# Altium PCB WMM Board.PcbDoc
Units mm, origin at the board's own origin, x right, y up, seen from the top; angles counter-clockwise.
Board outline 98.5 x 115 mm, 2 copper layers (Top Layer, Bottom Layer), stack 1.662 mm thick; 79 components, 65 nets, 410 pads, 39 vias.
Unrouted connection lines stored in the file: 171.
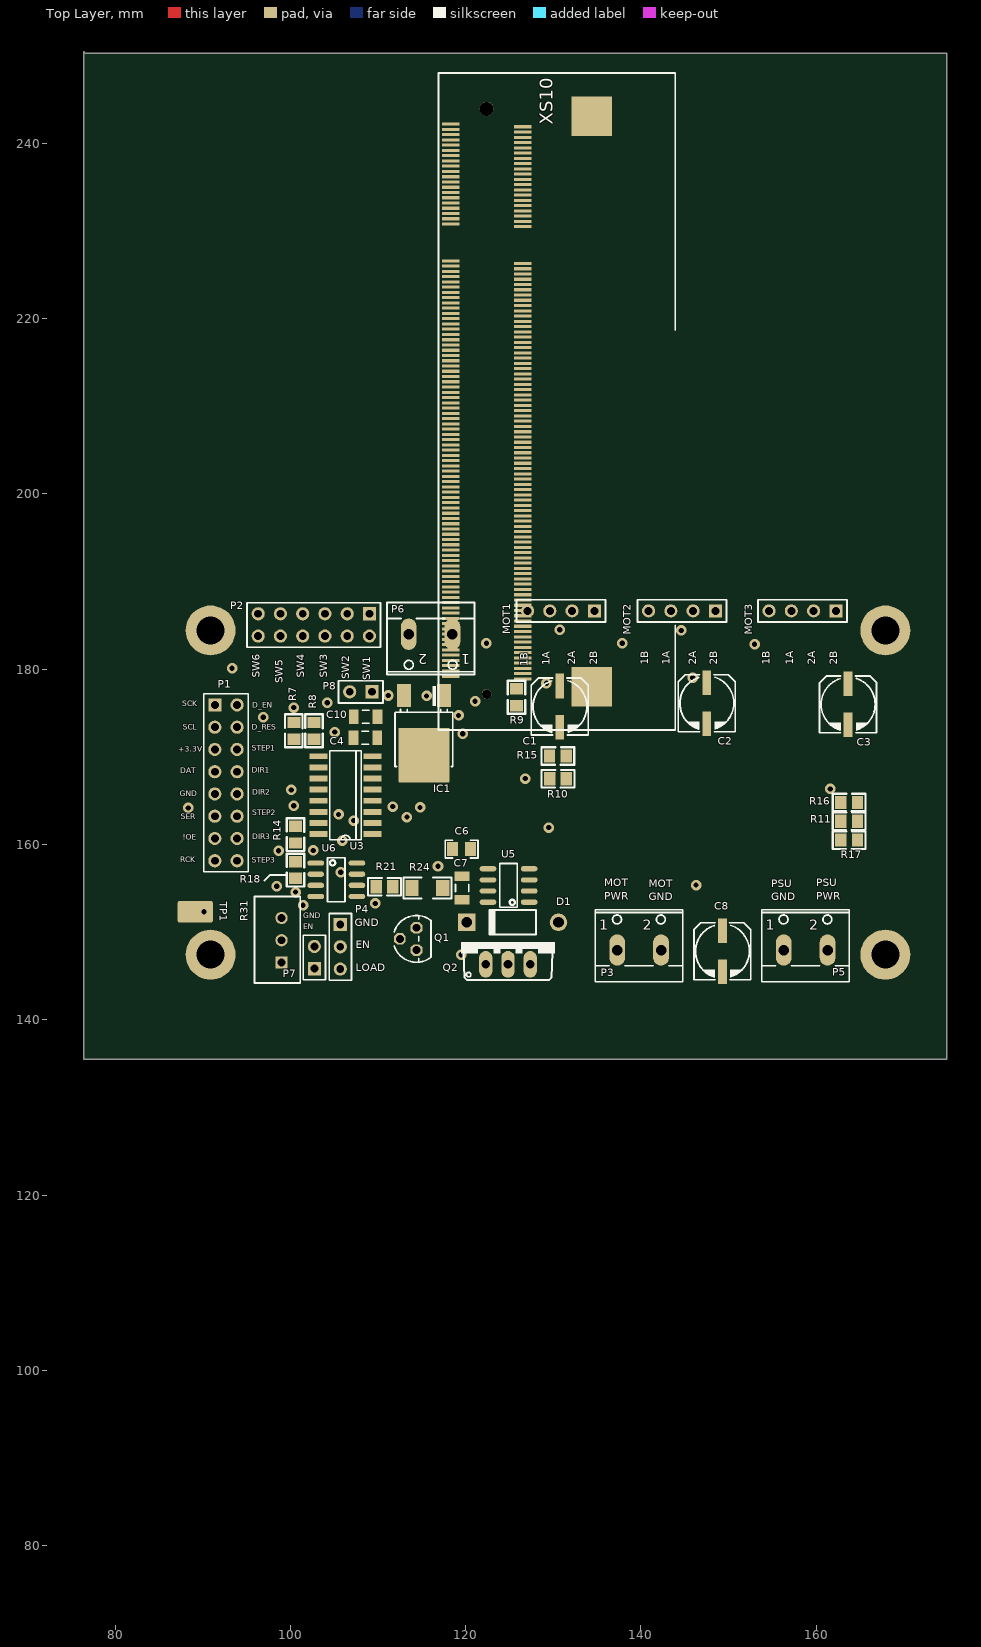
[diagram p0: Top Layer view]
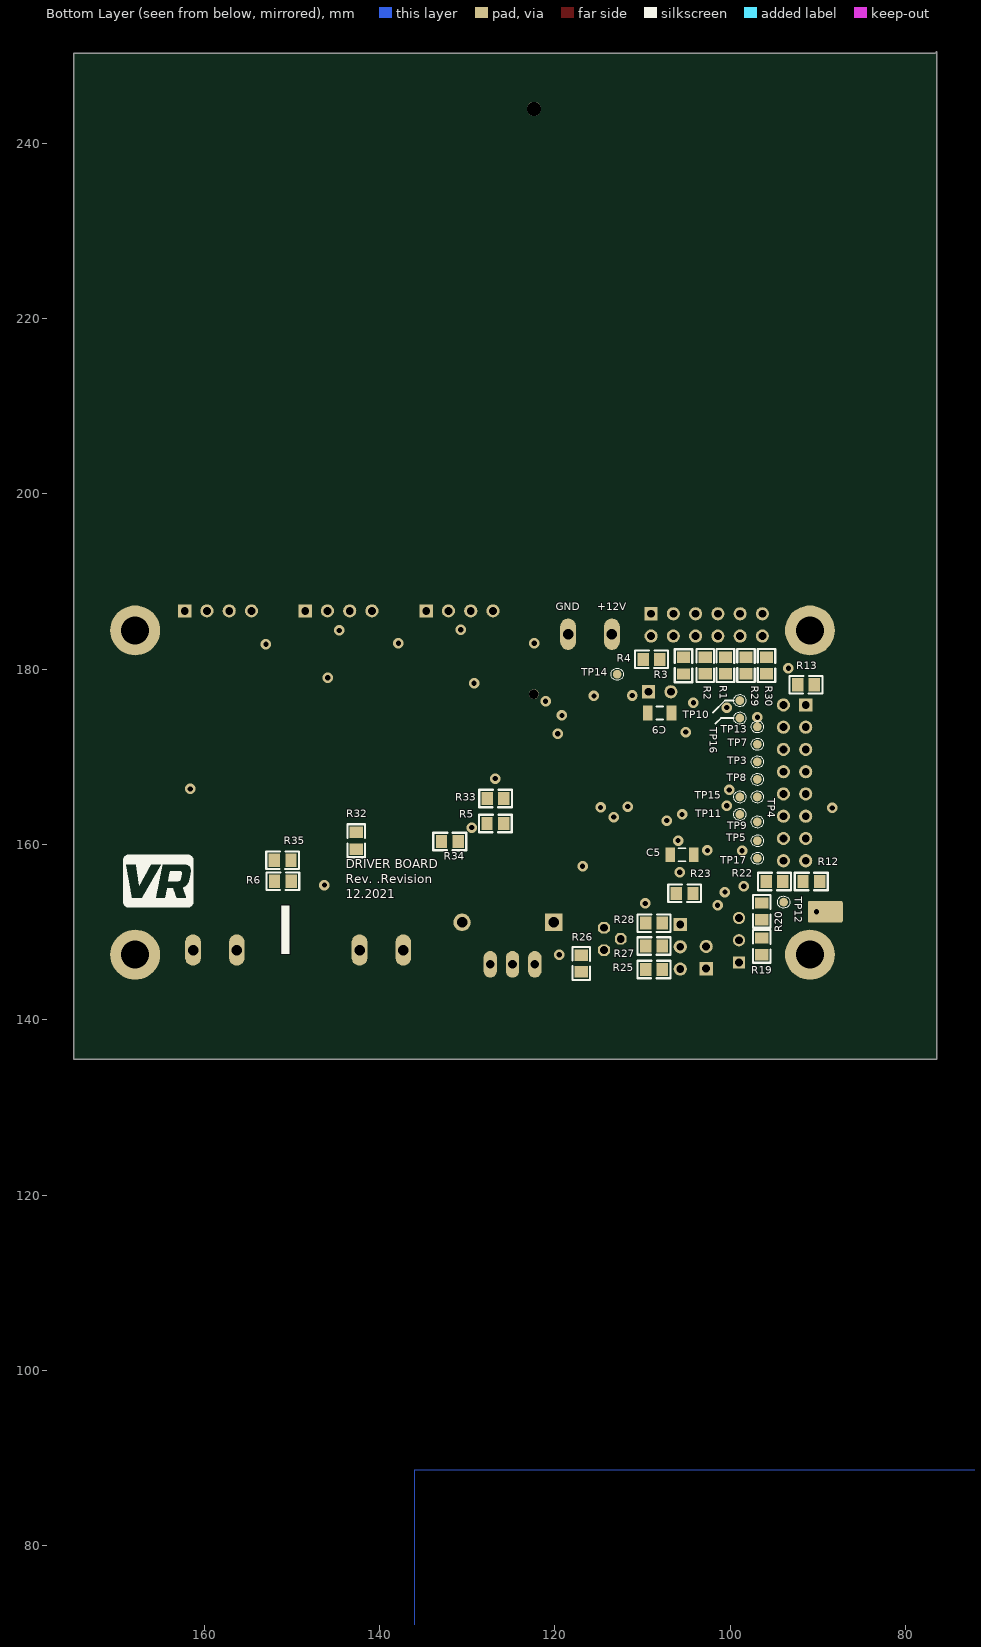
[diagram p1: Bottom Layer view, seen from below]

## Layer stack, top to bottom
Top Solder: solder mask 0.0102, Solder Resist, Dk 3.5
Top Layer: signal copper 0.0356
Dielectric 1: core 1.591, Core-042, Dk 4.6
Bottom Layer: signal copper 0.0356
Bottom Solder: solder mask 0.0102, Solder Resist, Dk 3.5

## Board outline
76.425,135.475 174.925,135.475 174.925,250.275 76.625,250.275 76.425,250.475

## Design rules (kind name [scope] priority, off if disabled: settings)
BoardOutlineClearance [All] p1: gap=0.4 ignorepadtopadclearanceinfootprint=FALSE except(0.35: Text-OutlineEdge Text-CavityEdge Text-CutoutEdge Text-SplitBarrior Text-SplitContinuation)
Clearance Clearance_3level [All] p1: gap=0.3 ignorepadtopadclearanceinfootprint=FALSE // 3? ???? ???????? ?? ????
Clearance "Clearance Bottom Layer" [OnLayer('Bottom Layer')] p2 off: gap=0.203 ignorepadtopadclearanceinfootprint=TRUE except(0.254: Arc-Text Track-Text SMDPad-Text THPad-Text Via-Text Fill-Text Poly-Text Region-Text Text-Text; 0.3: Arc-Poly Track-Poly SMDPad-Poly THPad-Poly Via-Poly Fill-Poly Poly-Poly)
Clearance "Clearance Top Layer" [OnLayer('Top Layer')] p3 off: gap=0.203 ignorepadtopadclearanceinfootprint=TRUE except(0.254: Arc-Text Track-Text SMDPad-Text THPad-Text Via-Text Fill-Text Poly-Text Region-Text Text-Text)
Clearance [All] p4 off: gap=0.2 ignorepadtopadclearanceinfootprint=FALSE except(0.089: Arc-Arc Arc-Track Arc-SMDPad Track-Track Track-SMDPad SMDPad-SMDPad; 0.127: Arc-Via Track-Via SMDPad-Via THPad-Via Via-Via; 0.254: Arc-Text Track-Text SMDPad-Text THPad-Text Via-Text Fill-Text Poly-Text Region-Text Text-Text)
DiffPairsRouting [All] p1 off: maxlimit=0.254 minlimit=0.254 mostfreqgap=0.254 toplayer_minwidth=0.381 toplayer_maxwidth=0.381 toplayer_prefwidth=0.381 bottomlayer_minwidth=0.381 bottomlayer_maxwidth=0.381 bottomlayer_prefwidth=0.381 maxuncoupledlength=12.7
Height [All] p1 off: minheight=0 maxheight=25.4 prefheight=12.7
HoleSize [All] p1: absolutevalues=TRUE maxlimit=6.3 minlimit=0.2 maxpercent=80.000 minpercent=20.000
HoleToHoleClearance [All] p1: gap=0.2 allowstackedmicrovias=TRUE
MinimumAnnularRing [All] p1: minimumring=0.076
MinimumSolderMaskSliver [All] p1: minsoldermaskwidth=0.15
PolygonConnect PolygonConnect_1 [All] p1: thpad.connectstyle=Relief thpad.reliefconductorwidth=0.508 thpad.reliefentries=4 thpad.polygonreliefangle="90 Angle" thpad.airgapwidth=0.254 smdpad.connectstyle=Relief smdpad.reliefconductorwidth=0.508 smdpad.reliefentries=4 smdpad.polygonreliefangle="90 Angle" smdpad.airgapwidth=0.254 via.connectstyle=Direct via.reliefconductorwidth=0.508 via.reliefentries=4 via.polygonreliefangle="90 Angle" via.airgapwidth=0.254
RoutingVias RoutingVias_0.6/1.2 [All] p1: holewidth=0.6 width=1.2 viastyle="Through Hole" minholewidth=0.6 minwidth=1.2 maxholewidth=0.6 maxwidth=1.2
RoutingVias [All] p2 off: holewidth=0.5 width=1 viastyle="Through Hole" minholewidth=0.2 minwidth=0.45 maxholewidth=1 maxwidth=2
SilkToSilkClearance [All] p1: silktosilkclearance=0.25
SilkToSolderMaskClearance [IsPad] p1: minsilkscreentomaskgap=0.1 clearancetoexposedcopper=TRUE
SolderMaskExpansion [All] p1: expansion=0.102 istentingtop=FALSE
Width Width_3level [All] p1: maxlimit=2 minlimit=0.25 preferedwidth=0.3
Width [All] p2 off: maxlimit=2.54 minlimit=0.089 preferedwidth=0.381
23 further rules are at their usual default settings.

## Components (designator, comment, footprint, x,y, rotation, side; value= is the part's Value field where it differs from the comment)
C1 "Cap Pol" UD-6,3X5,8_NICHICON 130.753,175.736 r90 top value=100uF
C2 "Cap Pol" UD-6,3X5,8_NICHICON 147.517,176.117 r90 top value=100uF
C3 "Cap Pol" UD-6,3X5,8_NICHICON 163.646,175.99 r90 top value=100uF
C4 "Cap" C1206 108.55,172.175 r0 top value=0.1uF
C5 "Cap" C1206 105.5,158.825 r180 bottom value=0.1uF
C6 "Cap" C0805 118.518,159.475 r0 top value=1nF
C7 "Cap" C1206 119.6,155.025 r270 top value=0.1uF
C8 "Cap Pol" UD-6,3X5,8_NICHICON 149.3,147.825 r90 top value=100uF
C9 "Cap" C1206 108.05,175 r0 bottom value=0.33uF
C10 "Cap" C1206 108.6,174.575 r0 top value=0.1uF
D1 "1N4006" DO-41 125.37,151.125 r180 top
IC1 "MC33269" DPAK 115.25,173.6 r270 top
MOT1 "PLS-4" HDR1X4 134.69,186.658 r180 top
MOT2 "PLS-4" HDR1X4 148.5,186.658 r180 top
MOT3 "PLS-4" HDR1X4 162.249,186.658 r180 top
P1 "PLD-16" HDR2X8 91.383,175.925 r270 top
P2 "PLD-12" HDR2X6 109.03,186.325 r180 top
P3 "306-021-12" W237-102 139.8,149.225 r0 top
P4 "PLD-3" HDR1X3 105.7,150.865 r270 top
P5 "306-021-12" W237-102 158.8,149.225 r0 top
P6 "306-021-12" W237-102 116,182.725 r180 top
P7 "PLS-2" HDR1X2 102.743,145.828 r90 top
P8 "PLS-2" HDR1X2 109.315,177.425 r180 top
Q1 "2N2222" TO92 114.4,149.225 r90 top
Q2 "IRL540N" TO220BV 124.84,148.865 r0 top
R1 "10k" RES-0805 100.55,180.425 r90 bottom
R2 "10k" RES-0805 102.85,180.425 r90 bottom
R3 "10k" RES-0805 105.325,180.4 r90 bottom
R4 "10k" RES-0805 108.975,181.125 r0 bottom
R5 "1k" RES-0805 126.8,162.4 r180 bottom
R6 "1k" RES-0805 151.05,155.8 r180 bottom
R7 "10k" RES-0805 100.4,172.975 r270 top
R8 "10k" RES-0805 102.7,172.975 r270 top
R9 "10k" RES-0805 125.8,176.8 r90 top
R10 "10k" RES-0805 130.55,167.5 r0 top
R11 "10k" RES-0805 163.773,162.655 r0 top
R12 "10k" RES-0805 90.75,155.775 r180 bottom
R13 "10k" RES-0805 91.35,178.225 r0 bottom
R14 "10k" RES-0805 100.6,161.125 r270 top
R15 "10k" RES-0805 130.525,170.1 r0 top
R16 "10k" RES-0805 163.773,164.787 r0 top
R17 "10k" RES-0805 163.773,160.496 r0 top
R18 "100k" RES-0805 100.6,157.075 r90 top
R19 "470" RES-0805 96.4,148.375 r90 bottom
R20 "30k" RES-0805 96.4,152.375 r270 bottom
R21 "30k" RES-0805 110.75,155.175 r0 top
R22 "100" RES-0805 94.95,155.775 r180 bottom
R23 "100k" RES-0805 105.2,154.425 r180 bottom
R24 "470" RES-1206 115.65,155.025 r180 top
R25 "1k" RES-0805 108.7,145.725 r180 bottom
R26 "100" RES-0805 117,146.425 r90 bottom
R27 "10k" RES-0805 108.7,148.425 r180 bottom
R28 "220" RES-0805 108.7,151.025 r180 bottom
R29 "10k" RES-0805 98.2,180.425 r90 bottom
R30 "10k" RES-0805 95.85,180.425 r90 bottom
R31 "1k" VR5 99,149.075 r90 top
R32 "1k" RES-0805 142.675,160.425 r270 bottom
R33 "1k" RES-0805 126.775,165.25 r180 bottom
R34 "1k" RES-0805 132,160.35 r180 bottom
R35 "1k" RES-0805 151.075,158.2 r180 bottom
TP1 "Adjust" TESTPOINT 90.15,152.325 r180 top
TP3 "=Value" TP_SMD_1MM 96.9,169.425 r90 bottom
TP4 "=Value" TP_SMD_1MM 96.9,165.425 r90 bottom
TP5 "=Value" TP_SMD_1MM 96.9,160.425 r90 bottom
TP7 "=Value" TP_SMD_1MM 96.9,171.425 r90 bottom
TP8 "=Value" TP_SMD_1MM 96.9,167.425 r90 bottom
TP9 "=Value" TP_SMD_1MM 96.9,162.575 r90 bottom
TP10 "=Value" TP_SMD_1MM 98.9,176.425 r90 bottom
TP11 "=Value" TP_SMD_1MM 98.9,163.425 r90 bottom
TP12 "=Value" TP_SMD_1MM 93.9,153.425 r90 bottom
TP13 "=Value" TP_SMD_1MM 96.9,173.425 r90 bottom
TP14 "=Value" TP_SMD_1MM 112.9,179.425 r90 bottom
TP15 "=Value" TP_SMD_1MM 98.9,165.425 r90 bottom
TP16 "=Value" TP_SMD_1MM 98.9,174.425 r90 bottom
TP17 "=Value" TP_SMD_1MM 96.9,158.425 r90 bottom
U3 "SNx4HC595" SO16 106.3,165.625 r90 top
U5 "Current Sensor" SO-8_L 124.9,155.325 r180 top value=ACS712ELCTR-05B
U6 "LM358M" SO-8_L 105.25,155.975 r0 top
XS10 "1717254-4 (TE Connectivity , SODIMM200-DDR2)" SODIMM_200 130.4,210.55 r90 top

## Footprints (in the part's own frame and the unit in brackets; to place one, negate y for a bottom-side part, rotate by r counter-clockwise, add the part's x,y. Pads: shape width x height; smd on the part's side, far side on the other; paste and mask are expansions set on the pad)
C0805 [mil]
  rect 50x63 smd: 1(0,0) 2(80,0)
  silkscreen extent -34,-40 114,40, body extent 0,-25 78,26, height 51
C1206 [mm] "Chip Capacitor, Body 3.2x1.6mm, IPC High Density"
  rect 1.1x1.7 smd: 1(-1.35,0) 2(1.35,0)
  silkscreen extent -0.4,-0.75 0.4,0.75, body extent -1.6,-0.8 1.6,0.82, height 1.64
DO-41 [mm] "Diode, Axial; Body 5.2 x 2.7 mm (LxDia. max), Lead Dia. 0.86 mm (max)"
  round 2 hole 1.2: 1(-5.23,0)
  rect 2x2 hole 1.2: 2(5.23,0)
  silkscreen extent -2.65,-1.4 2.75,1.4, body extent -5.65,-1.32 5.7,1.32, height 2.82
DPAK [mm] "D-PAK, 3-Pads, Body 6.22x6.73mm (max), TO-252AA using nominal STEP model"
  rrect6% 2.6x1.6 smd: 1(-3.4,2.28) 3(-3.4,-2.28)
  rrect2% 6.2x5.8 smd paste-2.9: 4(3.4,0)
  silkscreen extent -4.5,-3.3 4.7,3.28, body extent -3.86,-3.29 5.84,3.29, height 2.48
HDR1X2 [mm] "Connector; Header; 2 Position"
  rect 1.5x1.5 hole 0.9: 1(0,0)
  round 1.5 hole 0.9: 2(2.54,0)
  silkscreen extent -1.27,-1.27 3.81,1.27, body extent -1.26,-1.28 3.82,1.26, height 8.61
HDR1X3 [mm] "Connector; Header; 3 Position"
  rect 1.5x1.5 hole 0.9: 1(0,0)
  round 1.5 hole 0.9: 2(2.54,0) 3(5.08,0)
  silkscreen extent -1.27,-1.27 6.35,1.27, body extent -1.28,-1.27 6.34,1.27, height 8.61
HDR1X4 [mm] "Connector; Header; 4 Position"
  rect 1.5x1.5 hole 0.9: 1(0,0)
  round 1.5 hole 0.9: 2(2.54,0) 3(5.08,0) 4(7.62,0)
  silkscreen extent -1.27,-1.27 8.89,1.27, body extent -1.28,-1.27 8.88,1.27, height 8.61
HDR2X6 [mm] "Connector; Header; 6x2 Position"
  rect 1.5x1.5 hole 0.9: 1(0,0)
  round 1.5 hole 0.9: 2(0,2.54) 3(2.54,0) 4(2.54,2.54) 5(5.08,0) 6(5.08,2.54) 7(7.62,0) 8(7.62,2.54) 9(10.16,0) 10(10.16,2.54) 11(12.7,0) 12(12.7,2.54)
  silkscreen extent -1.27,-1.27 13.96,3.81, body extent -1.27,-1.28 13.97,3.8, height 8.61
HDR2X8 [mm] "Connector; Header; 8x2 Position"
  rect 1.5x1.5 hole 0.9: 1(0,0)
  round 1.5 hole 0.9: 2(0,2.54) 3(2.54,0) 4(2.54,2.54) 5(5.08,0) 6(5.08,2.54) 7(7.62,0) 8(7.62,2.54) 9(10.16,0) 10(10.16,2.54) 11(12.7,0) 12(12.7,2.54) 13(15.24,0) 14(15.24,2.54) 15(17.78,0) 16(17.78,2.54)
  silkscreen extent -1.27,-1.27 19.05,3.81, body extent -1.28,-1.28 19.04,3.8, height 8.61
RES-0805 [mm] "Chip Resistor; Body 2 x 1.3 mm (LxW typ)"
  rect 1.3x1.5 smd: 1(-0.95,0) 2(0.95,0)
  silkscreen extent -1.88,-1 1.88,1, body extent -1.24,-0.65 1.29,0.6, height 0.51
RES-1206 [mm] "Chip Resistor; Body  x mm (LxW typ)"
  rect 1.5x1.8 smd: 1(-1.75,0) 2(1.75,0)
  silkscreen extent -2.75,-1.2 2.75,1.2, body extent -1.9,-0.8 1.9,0.8, height 0.61
SO16 [mil] "SO16"
  rect 26x80 smd: 1(-175,-121) 2(-125,-121) 3(-75,-121) 4(-25,-121) 5(25,-121) 6(75,-121) 7(125,-121) 8(175,-121) 9(175,121) 10(125,121) 11(75,121) 12(25,121) 13(-25,121) 14(-75,121) 15(-125,121) 16(-175,121)
  silkscreen extent -200,-70 200,71, body extent -198,-121 198,121, height 79
SO-8_L [mm] "8-Pin Small Outline Integrated Circuit 1.27 mm Pitch, IPC High Density"
  oval 1.9x0.6 smd: 1(-2.35,1.905) 2(-2.35,0.635) 3(-2.35,-0.635) 4(-2.35,-1.905) 5(2.35,-1.905) 6(2.35,-0.635) 7(2.35,0.635) 8(2.35,1.905)
  silkscreen extent -1,-2.5 1,2.5, body extent -3.09,-2.43 2.94,2.47, height 1.51
SODIMM_200 [mm] "SMD"
  rect 0.35x2 smd paste-20: 1(31.65,12.1) 2(31.35,3.9) 3(31.05,12.1) 4(30.75,3.9) 5(30.45,12.1) 6(30.15,3.9) 7(29.85,12.1) 8(29.55,3.9) 9(29.25,12.1) 10(28.95,3.9) 11(28.65,12.1) 12(28.35,3.9) 13(28.05,12.1) 14(27.75,3.9) 15(27.45,12.1) 16(27.15,3.9) 17(26.85,12.1) 18(26.55,3.9) 19(26.25,12.1) 20(25.95,3.9) 21(25.65,12.1) 22(25.35,3.9) 23(25.05,12.1) 24(24.75,3.9) 25(24.45,12.1) 26(24.15,3.9) 27(23.85,12.1) 28(23.55,3.9) 29(23.25,12.1) 30(22.95,3.9) 31(22.65,12.1) 32(22.35,3.9) 33(22.05,12.1) 34(21.75,3.9) 35(21.45,12.1) 36(21.15,3.9) 37(20.85,12.1) 38(20.55,3.9) 39(20.25,12.1) 40(19.95,3.9) 41(16.05,12.1) 42(15.75,3.9) 43(15.45,12.1) 44(15.15,3.9) 45(14.85,12.1) 46(14.55,3.9) 47(14.25,12.1) 48(13.95,3.9) 49(13.65,12.1) 50(13.35,3.9) 51(13.05,12.1) 52(12.75,3.9) 53(12.45,12.1) 54(12.15,3.9) 55(11.85,12.1) 56(11.55,3.9) 57(11.25,12.1) 58(10.95,3.9) 59(10.65,12.1) 60(10.35,3.9) 61(10.05,12.1) 62(9.75,3.9) 63(9.45,12.1) 64(9.15,3.9) 65(8.85,12.1) 66(8.55,3.9) 67(8.25,12.1) 68(7.95,3.9) 69(7.65,12.1) 70(7.35,3.9) 71(7.05,12.1) 72(6.75,3.9) 73(6.45,12.1) 74(6.15,3.9) 75(5.85,12.1) 76(5.55,3.9) 77(5.25,12.1) 78(4.95,3.9) 79(4.65,12.1) 80(4.35,3.9) 81(4.05,12.1) 82(3.75,3.9) 83(3.45,12.1) 84(3.15,3.9) 85(2.85,12.1) 86(2.55,3.9) 87(2.25,12.1) 88(1.95,3.9) 89(1.65,12.1) 90(1.35,3.9) 91(1.05,12.1) 92(0.75,3.9) 93(0.45,12.1) 94(0.15,3.9) 95(-0.15,12.1) 96(-0.45,3.9) 97(-0.75,12.1) 98(-1.05,3.9) 99(-1.35,12.1) 100(-1.65,3.9) 101(-1.95,12.1) 102(-2.25,3.9) 103(-2.55,12.1) 104(-2.85,3.9) 105(-3.15,12.1) 106(-3.45,3.9) 107(-3.75,12.1) 108(-4.05,3.9) 109(-4.35,12.1) 110(-4.65,3.9) 111(-4.95,12.1) 112(-5.25,3.9) 113(-5.55,12.1) 114(-5.85,3.9) 115(-6.15,12.1) 116(-6.45,3.9) 117(-6.75,12.1) 118(-7.05,3.9) 119(-7.35,12.1) 120(-7.65,3.9) 121(-7.95,12.1) 122(-8.25,3.9) 123(-8.55,12.1) 124(-8.85,3.9) 125(-9.15,12.1) 126(-9.45,3.9) 127(-9.75,12.1) 128(-10.05,3.9) 129(-10.35,12.1) 130(-10.65,3.9) 131(-10.95,12.1) 132(-11.25,3.9) 133(-11.55,12.1) 134(-11.85,3.9) 135(-12.15,12.1) 136(-12.45,3.9) 137(-12.75,12.1) 138(-13.05,3.9) 139(-13.35,12.1) 140(-13.65,3.9) 141(-13.95,12.1) 142(-14.25,3.9) 143(-14.55,12.1) 144(-14.85,3.9) 145(-15.15,12.1) 146(-15.45,3.9) 147(-15.75,12.1) 148(-16.05,3.9) 149(-16.35,12.1) 150(-16.65,3.9) 151(-16.95,12.1) 152(-17.25,3.9) 153(-17.55,12.1) 154(-17.85,3.9) 155(-18.15,12.1) 156(-18.45,3.9) 157(-18.75,12.1) 158(-19.05,3.9) 159(-19.35,12.1) 160(-19.65,3.9) 161(-19.95,12.1) 162(-20.25,3.9) 163(-20.55,12.1) 164(-20.85,3.9) 165(-21.15,12.1) 166(-21.45,3.9) 167(-21.75,12.1) 168(-22.05,3.9) 169(-22.35,12.1) 170(-22.65,3.9) 171(-22.95,12.1) 172(-23.25,3.9) 173(-23.55,12.1) 174(-23.85,3.9) 175(-24.15,12.1) 176(-24.45,3.9) 177(-24.75,12.1) 178(-25.05,3.9) 179(-25.35,12.1) 180(-25.65,3.9) 181(-25.95,12.1) 182(-26.25,3.9) 183(-26.55,12.1) 184(-26.85,3.9) 185(-27.15,12.1) 186(-27.45,3.9) 187(-27.75,12.1) 188(-28.05,3.9) 189(-28.35,12.1) 190(-28.65,3.9) 191(-28.95,12.1) 192(-29.25,3.9) 193(-29.55,12.1) 194(-29.85,3.9) 195(-30.15,12.1) 196(-30.45,3.9) 197(-30.75,12.1) 198(-31.05,3.9) 199(-31.35,12.1) 200(-31.65,3.9)
  rect 4.5x4.6 smd paste-25.4: 203(-32.55,-4) 204(32.55,-4)
  round 1.6 hole 1.6 unplated: MH1(33.4,8)
  round 1.1 hole 1.1 unplated: MH2(-33.4,8)
  silkscreen extent -37.5,-13.52 37.5,13.48, body extent -35.75,-13.05 35.75,13, height 5.2
TESTPOINT [mm]
  rrect20% 4x2.5 hole 0.6 copper offset 1,0: 1(0,0)
TO92 [mil] "TO92"
  oct 52x52 / inner round 0 / far side oct 52x52 hole 35.43: 1(-50,0) 2(0,75) 3(50,0)
  silkscreen extent -105,-65 105,100, body extent -98,-55 99,116, height 323
TO220BV [mil] "TO220BV"
  oval 60x120 / inner round 0 / far side oval 60x120 hole 39.37: 1(-100,-100) 2(0,-100) 3(100,-100)
  silkscreen extent -210,-170 210,0, body extent -200,-155 200,25, height 730
TP_SMD_1MM [mm]
  round 1 smd paste-10 mask+0.05: 1(0,0)
  silkscreen extent -0.7,-0.7 0.7,0.7
UD-6,3X5,8_NICHICON [mm] "UD-6,3X5,8_NICHICON"
  rect 2.8x1 smd: 1(2.35,0) 2(-2.35,0)
  silkscreen extent -3.25,-3.25 3.25,3.25, body extent -3.67,-3.3 3.62,3.3, height 5.41
VR5 [mm] "Thru-Hole; 3 Leads"
  rect 1.4x1.4 hole 0.9: 1(-2.54,0)
  round 1.4 hole 0.9: 2(0,0) 3(2.54,0)
  silkscreen extent -4.87,-2.12 4.97,3.1, body extent -4.75,-2 4.85,3, height 11.61
W237-102 [mil] "W237-102"
  oval 70.5x141 / inner round 0 / far side oval 70.5x141 hole 47.24: 1(-98.43,-50) 2(98.43,-50)
  silkscreen extent -197,-193 196,131, body extent -209,-187 201,120, height 409

## Part data
C1 C2 C3 C8: library part "Cap Pol1", "Polarized Capacitor (Radial) 16V, 105°C, 20% 6.3x5.4mm", Manufacturer=JB, Manufacturer_Part_Number=JCL1C101M063054, CHIPIDIP-code=9000565735
C4 C5 C7 C10: "Capacitor ceramic SMD", Manufacturer=Murata, Manufacturer_Part_Number=GRM319R71H104K, CHIPIDIP-code=348319975, Part_Type=Capacitor
C6: "Capacitor ceramic SMD", Manufacturer=HOLYSTONECAPS, Manufacturer_Part_Number=MLCC1000pFX7R50V10%0805, CHIPIDIP-code=40582, Part_Type=Capacitor
C9: "Capacitor ceramic SMD", Manufacturer=Murata, Manufacturer_Part_Number=GRM319R71H334KA01D, CHIPIDIP-code=344025606, Part_Type=Capacitor
D1: library part "Diode 1N4004", "1 Amp General Purpose Rectifier", Manufacturer="DC COMPONENTS CO., LTD.", CHIPIDIP-code=3519, ComponentLink1Description="Manufacturer Link", ComponentLink1URL=http://www.fairchildsemi.com/, ComponentLink2Description=Datasheet, ComponentLink2URL=http://www.fairchildsemi.com/ds/1N%2F1N4001.pdf, Manufacturer_Part_Number=1N4006, Part_Type="Diode, Axial"
IC1: library part "Volt Reg 5V", "5V Voltage Regulator", Manufacturer="ON Semiconductor", Manufacturer_Part_Number=MC33269DT-5.0, CHIPIDIP-code=563066499, Part_Type="Voltage regulator"
MOT1 MOT2 MOT3: library part "Header 4", "Header, 4-Pin", Manufacturer=Connfly, Manufacturer_Part_Number=DS1021-1*4SF11-B, Value2=(DS1021-1x4), CHIPIDIP-code=174993133, Part_Type=Connector
P1: library part "Header 8X2", "Header, 8-Pin, Dual row", Manufacturer=Connfly, Manufacturer_Part_Number=DS1021-2*8SF11-B, Value2=(DS1021-2x8), CHIPIDIP-code=4114, Part_Type=Connector
P2: library part "Header 6X2", "Header, 6-Pin, Dual row", Manufacturer=Connfly, Manufacturer_Part_Number=DS1021-2*6SF11-B, Value2=DS1021-2x6, CHIPIDIP-code=none, Part_Type=Connector
P3 P5 P6: library part "Header 2", "Screw connector, 2-Pin", Manufacturer="Ningbo Xinya M&E", Manufacturer_Part_Number=XY306A-5.0-2P-12, CHIPIDIP-code=43112, Part_Type=Connector
P4: library part "Header 3", "Header, 3-Pin", Manufacturer=Connfly, Manufacturer_Part_Number=DS1021-1*3SF11-B, Value2=(DS1021-1x3), CHIPIDIP-code=132511368, Part_Type=Connector
P7 P8: library part "Header 2", "Header, 2-Pin", Manufacturer=Connfly, Manufacturer_Part_Number=DS1021-1*2SF11-B, Value2=(DS1021-1x2), CHIPIDIP-code=260750144, Part_Type=Connector
Q1: library part NPN, "NPN Bipolar Transistor", Manufacturer="ON Semiconductor", Manufacturer_Part_Number=KSP2222ABU, CHIPIDIP-code=363567003, Part_Type=Transistor
Q2: library part NMOS-2, "N-Channel Power MOSFET", Manufacturer="Infineon Technologies", Manufacturer_Part_Number=IRL540NPBF, CHIPIDIP-code=387859736, ComponentLink1Description="Manufacturer Link", ComponentLink1URL=http://www.irf.com/, Part_Type=Transistor
R1 R2 R3 R4 R7 R8 R9 R10 R11 R12 R13 R14 R15 R16 R17 R27 R29 R30: library part Res, "Rectangular Thick Film Chip Resistor", Manufacturer=Yageo, Manufacturer_Part_Number=RC0805FR-0710KL, CHIPIDIP-code=9000079514, ComponentLink1Description="Manufacturer Link", ComponentLink1URL=http://www.panasonic.com/industrial/components/resistive_products.htm, ComponentLink2Description=Datasheet, ComponentLink2URL=http://www.panasonic.com/industrial/components/pdf/AOA0000CE8.pdf, Note="If flow soldering, adjust pad width of PCB Footprint to 0.7 - 0.8 times the width of the resistor.", Part_Type=Resistor
R5 R6 R25 R32 R33 R34 R35: library part Res, "Rectangular Thick Film Chip Resistor", Manufacturer=Yageo, Manufacturer_Part_Number=RC0805FR-071KL, CHIPIDIP-code=9000079486, ComponentLink1Description="Manufacturer Link", ComponentLink1URL=http://www.panasonic.com/industrial/components/resistive_products.htm, ComponentLink2Description=Datasheet, ComponentLink2URL=http://www.panasonic.com/industrial/components/pdf/AOA0000CE8.pdf, Note="If flow soldering, adjust pad width of PCB Footprint to 0.7 - 0.8 times the width of the resistor.", Part_Type=Resistor
R18 R23: library part Res, "Rectangular Thick Film Chip Resistor", Manufacturer=Yageo, Manufacturer_Part_Number=RC0805FR-07100KL, CHIPIDIP-code=9000079538, ComponentLink1Description="Manufacturer Link", ComponentLink1URL=http://www.panasonic.com/industrial/components/resistive_products.htm, ComponentLink2Description=Datasheet, ComponentLink2URL=http://www.panasonic.com/industrial/components/pdf/AOA0000CE8.pdf, Note="If flow soldering, adjust pad width of PCB Footprint to 0.7 - 0.8 times the width of the resistor.", Part_Type=Resistor
R19: library part Res, "Rectangular Thick Film Chip Resistor", Manufacturer=Yageo, Manufacturer_Part_Number=RC0805FR-07470RL, CHIPIDIP-code=9000079478, ComponentLink1Description="Manufacturer Link", ComponentLink1URL=http://www.panasonic.com/industrial/components/resistive_products.htm, ComponentLink2Description=Datasheet, ComponentLink2URL=http://www.panasonic.com/industrial/components/pdf/AOA0000CE8.pdf, Note="If flow soldering, adjust pad width of PCB Footprint to 0.7 - 0.8 times the width of the resistor.", Part_Type=Resistor
R20 R21: library part Res, "Rectangular Thick Film Chip Resistor", Manufacturer=Yageo, Manufacturer_Part_Number=RC0805FR-0730KL, CHIPIDIP-code=9000079525, ComponentLink1Description="Manufacturer Link", ComponentLink1URL=http://www.panasonic.com/industrial/components/resistive_products.htm, ComponentLink2Description=Datasheet, ComponentLink2URL=http://www.panasonic.com/industrial/components/pdf/AOA0000CE8.pdf, Note="If flow soldering, adjust pad width of PCB Footprint to 0.7 - 0.8 times the width of the resistor.", Part_Type=Resistor
R22 R26: library part Res, "Rectangular Thick Film Chip Resistor", Manufacturer=Yageo, Manufacturer_Part_Number=RC0805FR-07100RL, CHIPIDIP-code=9000079462, ComponentLink1Description="Manufacturer Link", ComponentLink1URL=http://www.panasonic.com/industrial/components/resistive_products.htm, ComponentLink2Description=Datasheet, ComponentLink2URL=http://www.panasonic.com/industrial/components/pdf/AOA0000CE8.pdf, Note="If flow soldering, adjust pad width of PCB Footprint to 0.7 - 0.8 times the width of the resistor.", Part_Type=Resistor
R24: library part Res, "Rectangular Thick Film Chip Resistor", Manufacturer=Yageo, Manufacturer_Part_Number=RC1206FR-07470RL, CHIPIDIP-code=9000079907, ComponentLink1Description="Manufacturer Link", ComponentLink1URL=http://www.panasonic.com/industrial/components/resistive_products.htm, ComponentLink2Description=Datasheet, ComponentLink2URL=http://www.panasonic.com/industrial/components/pdf/AOA0000CE8.pdf, Note="If flow soldering, adjust pad width of PCB Footprint to 0.7 - 0.8 times the width of the resistor.", Part_Type=Resistor
R28: library part Res, "Rectangular Thick Film Chip Resistor", Manufacturer=Yageo, Manufacturer_Part_Number=RC0805FR-07220RL, CHIPIDIP-code=9000079470, ComponentLink1Description="Manufacturer Link", ComponentLink1URL=http://www.panasonic.com/industrial/components/resistive_products.htm, ComponentLink2Description=Datasheet, ComponentLink2URL=http://www.panasonic.com/industrial/components/pdf/AOA0000CE8.pdf, Note="If flow soldering, adjust pad width of PCB Footprint to 0.7 - 0.8 times the width of the resistor.", Part_Type=Resistor
R31: library part RPot, "Potentiometer", Manufacturer=Bourns, Manufacturer_Part_Number=3296W-1-102LF, CHIPIDIP-code=4464, Part_Type=Potentiometer, Set Position=0.5
TP1: "Test Point", Manufacturer=n/a, ComponentLink1Description=Datasheet, ComponentLink1URL=http://na, Manufacturer_Part_Number=n/a, Part_Type=Mechanical, Status=Released
TP3 TP4 TP5 TP7 TP8 TP9 TP10 TP11 TP12 TP13 TP14 TP15 TP16 TP17: library part "Test Point", "Test Point", Manufacturer=n/a, ComponentLink1Description=Datasheet, ComponentLink1URL=http://na, Manufacturer_Part_Number=n/a, Part_Type=Mechanical, Status=Released
U3: "8-bit shift register with 3-state output register", Manufacturer=TI, Manufacturer_Part_Number=SN74HC595D, CHIPIDIP-code=37776, ComponentLink1Description=Datasheet, ComponentLink1URL=http://tunmcdsvn.tun.st.com/Component_Datasheet_Library/Trunk/Diodes/STM_ESD_ESDA6V1BC6, Part_Type="Shift register"
U5: "Hall-Effect-Based Linear Current Sensor +-5A", Manufacturer=Allegro, Manufacturer_Part_Number=ACS712ELCTR-05B, CHIPIDIP-code=9000043254, ComponentLink1Description=Datasheet, ComponentLink1URL=http://tunmcdsvn.tun.st.com/Component_Datasheet_Library/Trunk/Diodes/STM_ESD_ESDA6V1BC6, Part_Type=Sensor
U6: library part "Op Amp", "FET Operational Amplifier", Manufacturer=TI, Manufacturer_Part_Number=LM358M/NOPB, CHIPIDIP-code=39253, ComponentLink1Description="Manufacturer Link", ComponentLink1URL=http://www.analog.com/, Part_Type=OpAmp
XS10: library part SODIMM_200_1, "SODIMM DDR2 Socket Surface Mount, Right Angle, 200 pins", Value2="1717254-4 (TE Connectivity)"

## Free pads (board coordinates)
  round 5.7 hole 3.2: 1(90.9,184.425) 2(167.9,184.425) 3(167.9,147.425) 4(90.9,147.425)

## Via types
v1: diameter 1.2, hole 0.6, Top Layer to Bottom Layer, tented both sides, 39 vias

## Nets (pads, with @x,y where several pads share a name; then routed paths per layer and width w, separated by ;. In a path a pad name is that pad's centre, name@x,y a point inside that pad or via, vN(x,y) a via of type N, cw(c..) or ccw(c..) an arc to the next point about the centre after c; other vN are vias at no path point)
1-1A: MOT1.3
1-1B: MOT1.4
1-2A: MOT1.2
1-2B: MOT1.1
2-1A: MOT2.3
2-1B: MOT2.4
2-2A: MOT2.2
2-2B: MOT2.1
3-1A: MOT3.3
3-1B: MOT3.4
3-2A: MOT3.2
3-2B: MOT3.1
!OE: P1.13 R8.2 TP11.1 U3.13
  other v1: 100.4,164.425
+3.3: P1.5 R1.1 R2.1 R3.1 R4.1 R29.1 R30.1 TP14.1
  other v1: 93.35,180.125
+5: C4.2 C5.1 C7.2 C10.2 IC1.4 Q1.1 R7.1 R8.1 R31.3 U3.16 U5.8 U6.8
  other v1: 105.75,156.825 116.85,157.525 105.95,160.45 114.8,164.225 105.063,172.825 119.2,174.725 152.978,182.848 122.371,182.975 137.865,182.975
+12: C1.1 C2.1 C3.1 P6.2
  other v1: 129.229,178.403 145.915,179.038 144.6,184.425 130.753,184.499
CurrentData: P1.7 R22.2 TP12.1
  other v1: 88.35,164.175
DIR1: P1.8 R5.2 TP3.1
DIR2: P1.10 R34.2 TP8.1
DIR3: P1.14 R35.2 TP9.1
DRV_EN: P1.2
DRV_RES: P1.4
GND: C1.2 C2.2 C3.2 C4.1 C5.2 C6.1 C7.1 C8.2 C9.1 C10.1 IC1.1 P1.9 P4.1 P5.1 P6.1 P7.2 P8.2 pad.4 Q2.3 R9.2 R10.2 R11.2 R12.2 R13.2 R14.2 R15.2 R16.2 R17.2 R23.2 R27.2 R28.2 R31.1 TP10.1 U3.8 U5.5 U6.4
  other v1: 119.5,147.425 101.449,153.075 102.6,159.325 105.5,163.425 104.2,176.175 115.55,176.95
IP+: D1.1 P3.2 U5.1 U5.2
IP-: Q2.2 U5.3 U5.4
NetC6_2: C6.2 U5.6
NetP2_1: P2.1 P2.2 R4.2
NetP2_3: P2.3 P2.4 R3.2
NetP2_5: P2.5 P2.6 R2.2
NetP2_7: P2.7 P2.8 R1.2
NetP2_9: P2.9 P2.10 R29.2
NetP2_11: P2.11 P2.12 R30.2
NetP4_2: P4.2 P7.1
NetP4_3: P4.3 R25.2
NetQ1_2: Q1.2 R25.1 R27.1
NetQ1_3: Q1.3 R26.2 R28.1
NetQ2_1: Q2.1 R26.1
NetR5_1: R5.1
NetR6_1: R6.1
NetR9_1: R9.1 U3.15
  other v1: 129.5,161.925
NetR10_1: R10.1 U3.2
  other v1: 119.675,172.65
NetR11_1: R11.1 U3.4
  other v1: 111.7,164.325
NetR15_1: R15.1 U3.1
  other v1: 126.8,167.525 121.075,176.35
NetR16_1: R16.1 U3.3
  other v1: 107.228,162.728 161.614,166.338
NetR17_1: R17.1 U3.5
  other v1: 146.3,155.375 113.3,163.125
NetR18_1: R18.1 R20.1 U6.2
  other v1: 100.6,154.575
NetR18_2: R18.2 R22.1 U6.1
  other v1: 98.45,155.225
NetR19_1: R19.1 R31.2 TP1.1
NetR19_2: R19.2 R20.2
NetR21_1: R21.1 R23.1 U6.3
  other v1: 109.7,153.275
NetR21_2: R21.2 R24.2
NetR24_1: R24.1 U5.7
NetR32_1: R32.1
NetR33_1: R33.1
NetR34_1: R34.1
NetR35_1: R35.1
RCK: P1.15 R12.1 TP15.1 U3.12
  other v1: 100.1,166.225
SCK: P1.1 R13.1 TP13.1 U3.11
  other v1: 96.9,174.525
SCL: P1.3 R7.2 TP16.1 U3.10
  other v1: 100.4,175.625
SER: P1.11 R14.1 TP17.1 U3.14
  other v1: 98.65,159.275
STEP1: P1.6 R33.2 TP7.1
STEP2: P1.12 R32.2 TP4.1
STEP3: P1.16 R6.2 TP5.1
VCC: C8.1 D1.2 P3.1 P5.2
Vin: C9.2 IC1.3 P8.1
  other v1: 111.175,177
pads on no net: U3.6 U3.7 U3.9 U6.5 U6.6 U6.7 XS10.1 XS10.2 XS10.3 XS10.4 XS10.5 XS10.6 XS10.7 XS10.8 XS10.9 XS10.10 XS10.11 XS10.12 XS10.13 XS10.14 XS10.15 XS10.16 XS10.17 XS10.18 XS10.19 XS10.20 XS10.21 XS10.22 XS10.23 XS10.24 XS10.25 XS10.26 XS10.27 XS10.28 XS10.29 XS10.30 XS10.31 XS10.32 XS10.33 XS10.34 XS10.35 XS10.36 XS10.37 XS10.38 XS10.39 XS10.40 XS10.41 XS10.42 XS10.43 XS10.44 XS10.45 XS10.46 XS10.47 XS10.48 XS10.49 XS10.50 XS10.51 XS10.52 XS10.53 XS10.54 XS10.55 XS10.56 XS10.57 XS10.58 XS10.59 XS10.60 XS10.61 XS10.62 XS10.63 XS10.64 XS10.65 XS10.66 XS10.67 XS10.68 XS10.69 XS10.70 XS10.71 XS10.72 XS10.73 XS10.74 XS10.75 XS10.76 XS10.77 XS10.78 XS10.79 XS10.80 XS10.81 XS10.82 XS10.83 XS10.84 XS10.85 XS10.86 XS10.87 XS10.88 XS10.89 XS10.90 XS10.91 XS10.92 XS10.93 XS10.94 XS10.95 XS10.96 XS10.97 XS10.98 XS10.99 XS10.100 XS10.101 XS10.102 XS10.103 XS10.104 XS10.105 XS10.106 XS10.107 XS10.108 XS10.109 XS10.110 XS10.111 XS10.112 XS10.113 XS10.114 XS10.115 XS10.116 XS10.117 XS10.118 XS10.119 XS10.120 XS10.121 XS10.122 XS10.123 XS10.124 XS10.125 XS10.126 XS10.127 XS10.128 XS10.129 XS10.130 XS10.131 XS10.132 XS10.133 XS10.134 XS10.135 XS10.136 XS10.137 XS10.138 XS10.139 XS10.140 XS10.141 XS10.142 XS10.143 XS10.144 XS10.145 XS10.146 XS10.147 XS10.148 XS10.149 XS10.150 XS10.151 XS10.152 XS10.153 XS10.154 XS10.155 XS10.156 XS10.157 XS10.158 XS10.159 XS10.160 XS10.161 XS10.162 XS10.163 XS10.164 XS10.165 XS10.166 XS10.167 XS10.168 XS10.169 XS10.170 XS10.171 XS10.172 XS10.173 XS10.174 XS10.175 XS10.176 XS10.177 XS10.178 XS10.179 XS10.180 XS10.181 XS10.182 XS10.183 XS10.184 XS10.185 XS10.186 XS10.187 XS10.188 XS10.189 XS10.190 XS10.191 XS10.192 XS10.193 XS10.194 XS10.195 XS10.196 XS10.197 XS10.198 XS10.199 XS10.200 XS10.203 XS10.204 XS10.MH1 XS10.MH2

## Polygon pours and split planes (outlines as drawn)
no net on Top Layer "Top Layer-No Net" (solid, pour order 4): 37.7,59.55
IP- on Top Layer "11" (solid, pour order 2): 89.4,55.553 89.4,56.805 92.395,56.805 92.9,56.3 92.9,55.553
IP+ on Top Layer "IP+_L01_P000" (solid, pour order 0): 89.4,53 89.4,54.3 91.6,54.3 92.2,53.7 92.2,52.995
GND on Bottom Layer "Bottom Layer-GND" (solid, remove dead copper, pour order 6): 49.2,88.6 136.05,88.6 136.05,42.4 49.2,42.4

## Silkscreen, mask and mechanical layers (free items; w line width, h text height)
Top Overlay:
  lines w0.2: 97.025,155.85 97.7,156.525 99.6,156.525
  text "2A" at 132.8,180.525 h1.5 r90
  text "2B" at 135.3,180.525 h1.5 r90
  text "1B" at 141.1,180.525 h1.5 r90
  text "1A" at 143.6,180.525 h1.5 r90
  text "2A" at 146.6,180.525 h1.5 r90
  text "2B" at 149,180.525 h1.5 r90
  text "1B" at 155,180.525 h1.5 r90
  text "1A" at 157.7,180.525 h1.5 r90
  text "2A" at 160.2,180.525 h1.5 r90
  text "2B" at 162.7,180.525 h1.5 r90
  text "1A" at 129.9,180.425 h1.5 r90
  text "1B" at 127.4,180.325 h1.5 r90
  text "SW6" at 96.8,179.025 h1.5 r90
  text "SW4" at 101.9,179.025 h1.5 r90
  text "SW3" at 104.5,179.025 h1.5 r90
  text "SW2" at 107,178.875 h1.5 r90
  text "SW1" at 109.4,178.725 h1.5 r90
  text "SW5" at 99.4,178.425 h1.5 r90
  text "SCK" at 87.65,175.525 h1.1
  text "D_EN" at 95.65,175.375 h1.1
  text "SCL" at 87.7,172.875 h1.1
  text "D_RES" at 95.6,172.875 h1.1
  text "STEP1" at 95.6,170.475 h1.1
  text "+3.3V" at 87.225,170.375 h1.1
  text "DIR1" at 95.6,167.975 h1.1
  text "DAT" at 87.45,167.875 h1.1
  text "DIR2" at 95.65,165.425 h1.1
  text "GND" at 87.4,165.275 h1.1
  text "STEP2" at 95.625,163.1 h1.1
  text "SER" at 87.5,162.625 h1.1
  text "DIR3" at 95.65,160.375 h1.1
  text "!OE" at 87.7,160.325 h1.1
  text "RCK" at 87.45,157.725 h1.1
  text "STEP3" at 95.6,157.675 h1.1
  text "MOT / PWR" at 135.8,153.425 h1.5
  text "PSU / PWR" at 160,153.425 h1.5
  text "MOT / GND" at 140.9,153.325 h1.5
  text "PSU / GND" at 154.9,153.325 h1.5
  text "GND" at 101.5,151.375 h1.1
  text "GND" at 107.35,150.375 h1.5
  text "EN" at 101.5,150.075 h1.1
  text "EN" at 107.45,147.875 h1.5
  text "LOAD" at 107.45,145.275 h1.5
Bottom Overlay:
  drawing of 6 lines, arcs and shapes, not listed
  text "+12V" at 115.2,186.425 h1.5
  text "GND" at 119.9,186.425 h1.5
  text "DRIVER BOARD / Rev. .Revision / 12.2021" at 143.875,153.55 h1.7
  text "I" at 152.15,145.275 h12
M1-Board Shape:
  lines w0.1: 86.9,147.425 86.9,184.425 cw(c90.9,184.425) 90.9,188.425 167.9,188.425 cw(c167.9,184.425) 171.9,184.425 171.9,147.425 cw(c167.9,147.425) 167.9,143.425
M8-Bottom Info:
  lines w0.1: 90.65,147.425 91.15,147.425 90.9,147.675 90.9,147.175
  lines w0.2: 76.425,135.475 76.425,250.475 76.625,250.275 174.925,250.275 174.925,135.475 76.425,135.475

## Text inside footprints (layer, text, board x,y; h text height)
P1: M14-Top Assembly "2" at 93.415,178.465 h1.5 r270; M14-Top Assembly "16" at 93.415,156.621 h1.5 r270; M14-Top Assembly "1" at 90.858,178.2 h1.5 r270; M14-Top Assembly "15" at 90.875,156.621 h1.5 r270
P2: M14-Top Assembly "11" at 94.806,186.833 h1.27 r180; M14-Top Assembly "12" at 94.806,184.293 h1.27 r180; M14-Top Assembly "1" at 111.062,186.833 h1.27 r180; M14-Top Assembly "2" at 111.57,184.293 h1.27 r180
P3: Top Overlay "1" at 135.25,149.871 h2; Top Overlay "2" at 140.203,149.871 h2; M14-Top Assembly "1" at 135.268,149.86 h1.97; M14-Top Assembly "2" at 140.221,149.86 h1.97
P5: Top Overlay "2" at 159.203,149.871 h2; Top Overlay "1" at 154.25,149.871 h2; M14-Top Assembly "2" at 159.221,149.86 h1.97; M14-Top Assembly "1" at 154.268,149.86 h1.97
P6: Top Overlay "1" at 120.55,182.079 h2 r180; Top Overlay "2" at 115.597,182.079 h2 r180; M14-Top Assembly "1" at 120.532,182.09 h1.97 r180; M14-Top Assembly "2" at 115.579,182.09 h1.97 r180
XS10: M15-Bottom Assembly "2" at 129.372,241.376 h1.8 r90; M15-Bottom Assembly "1" at 117.213,241.517 h1.8 r90; M15-Bottom Assembly "200" at 129.452,177.665 h1.8 r90; M15-Bottom Assembly "199" at 117.213,178.173 h1.8 r90